# KiCad board SlowLampLEDPanel.kicad_pcb (continued)
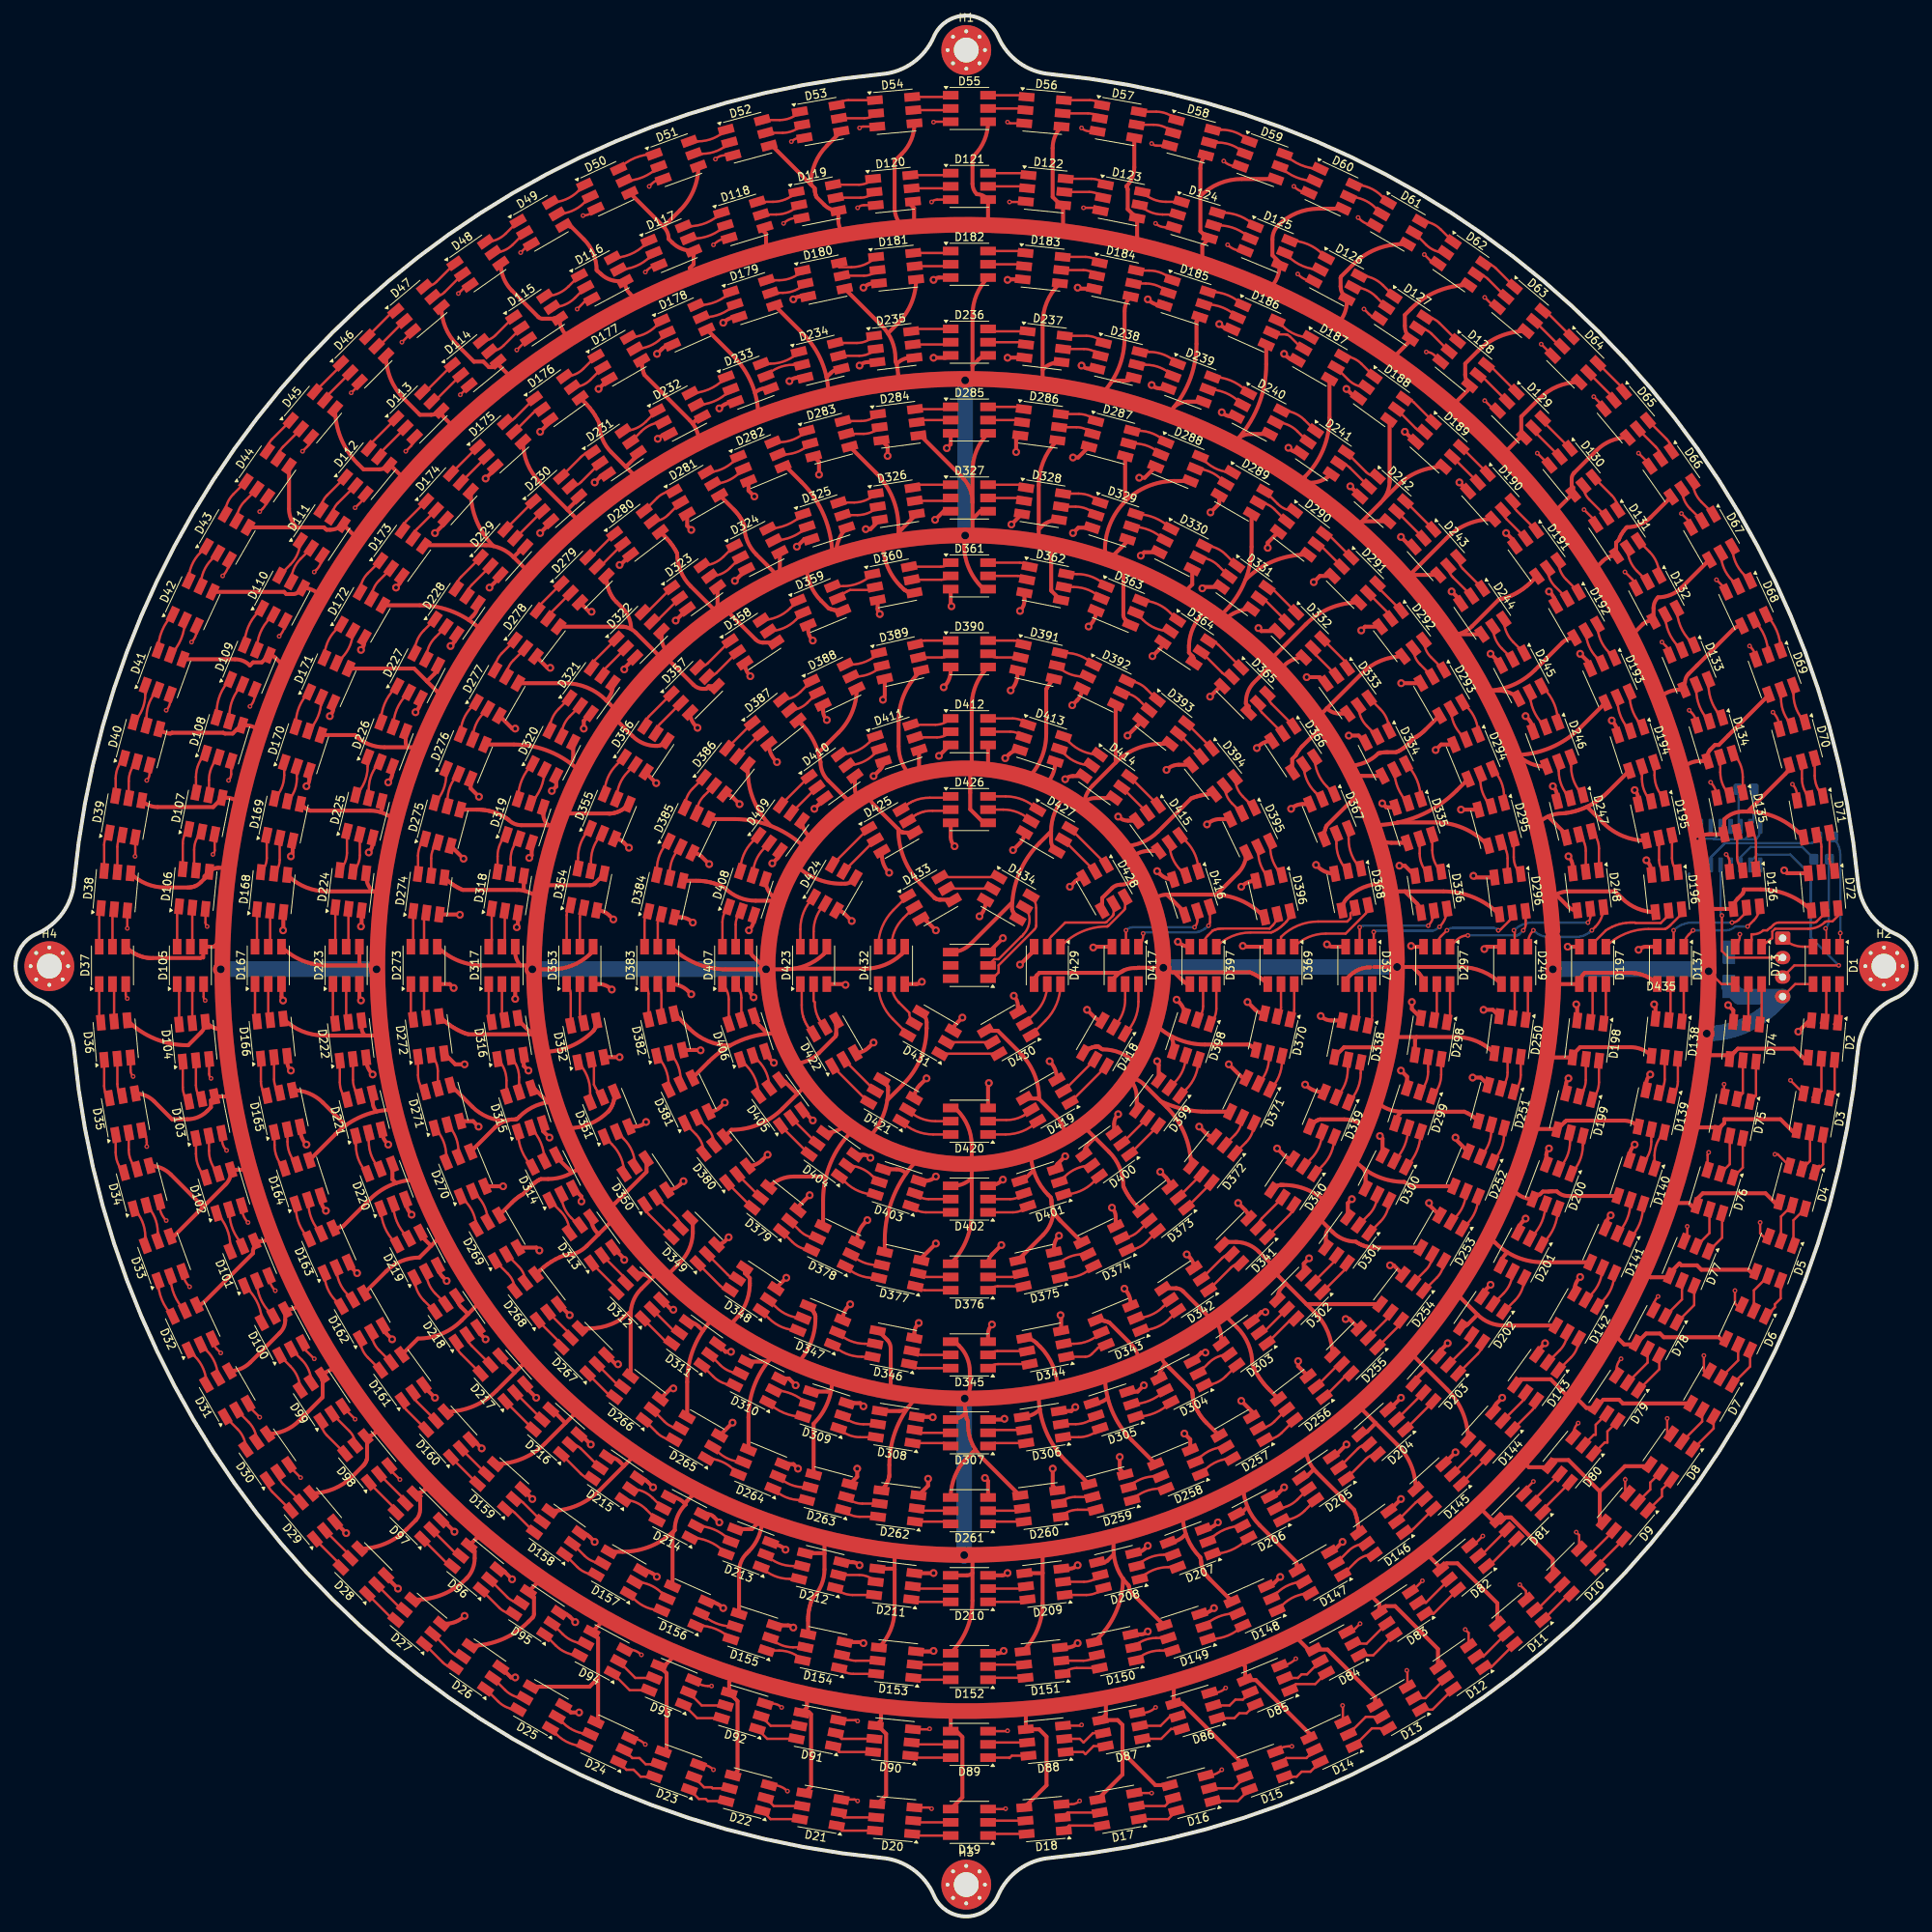
[diagram p0: board, top side]
## Nets (continued)
Net-(D327-DO): D327.6 D328.1
Net-(D328-CO): D328.5 D329.2
Net-(D328-DO): D328.6 D329.1
Net-(D329-CO): D329.5 D330.2
Net-(D329-DO): D329.6 D330.1
Net-(D330-CO): D330.5 D331.2
Net-(D330-DO): D330.6 D331.1
Net-(D331-CO): D331.5 D332.2
Net-(D331-DO): D331.6 D332.1
Net-(D332-CO): D332.5 D333.2
Net-(D332-DO): D332.6 D333.1
Net-(D333-CO): D333.5 D334.2
Net-(D333-DO): D333.6 D334.1
Net-(D334-CO): D334.5 D335.2
Net-(D334-DO): D334.6 D335.1
Net-(D335-CO): D335.5 D336.2
Net-(D335-DO): D335.6 D336.1
Net-(D336-CO): D336.5 D337.2
Net-(D336-DO): D336.6 D337.1
Net-(D337-CO): D337.5 D338.2
Net-(D337-DO): D337.6 D338.1
Net-(D338-CO): D338.5 D339.2
Net-(D338-DO): D338.6 D339.1
Net-(D339-CO): D339.5 D340.2
Net-(D339-DO): D339.6 D340.1
Net-(D340-CO): D340.5 D341.2
Net-(D340-DO): D340.6 D341.1
Net-(D341-CO): D341.5 D342.2
Net-(D341-DO): D341.6 D342.1
Net-(D342-CO): D342.5 D343.2
Net-(D342-DO): D342.6 D343.1
Net-(D343-CO): D343.5 D344.2
Net-(D343-DO): D343.6 D344.1
Net-(D344-CO): D344.5 D345.2
Net-(D344-DO): D344.6 D345.1
Net-(D345-CO): D345.5 D346.2
Net-(D345-DO): D345.6 D346.1
Net-(D346-CO): D346.5 D347.2
Net-(D346-DO): D346.6 D347.1
Net-(D347-CO): D347.5 D348.2
Net-(D347-DO): D347.6 D348.1
Net-(D348-CO): D348.5 D349.2
Net-(D348-DO): D348.6 D349.1
Net-(D349-CO): D349.5 D350.2
Net-(D349-DO): D349.6 D350.1
Net-(D350-CO): D350.5 D351.2
Net-(D350-DO): D350.6 D351.1
Net-(D351-CO): D351.5 D352.2
Net-(D351-DO): D351.6 D352.1
Net-(D352-CO): D352.5 D353.2
Net-(D352-DO): D352.6 D353.1
Net-(D353-CO): D353.5 D354.2
Net-(D353-DO): D353.6 D354.1
Net-(D354-CO): D354.5 D355.2
Net-(D354-DO): D354.6 D355.1
Net-(D355-CO): D355.5 D356.2
Net-(D355-DO): D355.6 D356.1
Net-(D356-CO): D356.5 D357.2
Net-(D356-DO): D356.6 D357.1
Net-(D357-CO): D357.5 D358.2
Net-(D357-DO): D357.6 D358.1
Net-(D358-CO): D358.5 D359.2
Net-(D358-DO): D358.6 D359.1
Net-(D359-CO): D359.5 D360.2
Net-(D359-DO): D359.6 D360.1
Net-(D360-CO): D360.5 D361.2
Net-(D360-DO): D360.6 D361.1
Net-(D361-CO): D361.5 D362.2
Net-(D361-DO): D361.6 D362.1
Net-(D362-CO): D362.5 D363.2
Net-(D362-DO): D362.6 D363.1
Net-(D363-CO): D363.5 D364.2
Net-(D363-DO): D363.6 D364.1
Net-(D364-CO): D364.5 D365.2
Net-(D364-DO): D364.6 D365.1
Net-(D365-CO): D365.5 D366.2
Net-(D365-DO): D365.6 D366.1
Net-(D366-CO): D366.5 D367.2
Net-(D366-DO): D366.6 D367.1
Net-(D367-CO): D367.5 D368.2
Net-(D367-DO): D367.6 D368.1
Net-(D368-CO): D368.5 D369.2
Net-(D368-DO): D368.6 D369.1
Net-(D369-CO): D369.5 D370.2
Net-(D369-DO): D369.6 D370.1
Net-(D370-CO): D370.5 D371.2
Net-(D370-DO): D370.6 D371.1
Net-(D371-CO): D371.5 D372.2
Net-(D371-DO): D371.6 D372.1
Net-(D372-CO): D372.5 D373.2
Net-(D372-DO): D372.6 D373.1
Net-(D373-CO): D373.5 D374.2
Net-(D373-DO): D373.6 D374.1
Net-(D374-CO): D374.5 D375.2
Net-(D374-DO): D374.6 D375.1
Net-(D375-CO): D375.5 D376.2
Net-(D375-DO): D375.6 D376.1
Net-(D376-CO): D376.5 D377.2
Net-(D376-DO): D376.6 D377.1
Net-(D377-CO): D377.5 D378.2
Net-(D377-DO): D377.6 D378.1
Net-(D378-CO): D378.5 D379.2
Net-(D378-DO): D378.6 D379.1
Net-(D379-CO): D379.5 D380.2
Net-(D379-DO): D379.6 D380.1
Net-(D380-CO): D380.5 D381.2
Net-(D380-DO): D380.6 D381.1
Net-(D381-CO): D381.5 D382.2
Net-(D381-DO): D381.6 D382.1
Net-(D382-CO): D382.5 D383.2
Net-(D382-DO): D382.6 D383.1
Net-(D383-CO): D383.5 D384.2
Net-(D383-DO): D383.6 D384.1
Net-(D384-CO): D384.5 D385.2
Net-(D384-DO): D384.6 D385.1
Net-(D385-CO): D385.5 D386.2
Net-(D385-DO): D385.6 D386.1
Net-(D386-CO): D386.5 D387.2
Net-(D386-DO): D386.6 D387.1
Net-(D387-CO): D387.5 D388.2
Net-(D387-DO): D387.6 D388.1
Net-(D388-CO): D388.5 D389.2
Net-(D388-DO): D388.6 D389.1
Net-(D389-CO): D389.5 D390.2
Net-(D389-DO): D389.6 D390.1
Net-(D390-CO): D390.5 D391.2
Net-(D390-DO): D390.6 D391.1
Net-(D391-CO): D391.5 D392.2
Net-(D391-DO): D391.6 D392.1
Net-(D392-CO): D392.5 D393.2
Net-(D392-DO): D392.6 D393.1
Net-(D393-CO): D393.5 D394.2
Net-(D393-DO): D393.6 D394.1
Net-(D394-CO): D394.5 D395.2
Net-(D394-DO): D394.6 D395.1
Net-(D395-CO): D395.5 D396.2
Net-(D395-DO): D395.6 D396.1
Net-(D396-CO): D396.5 D397.2
Net-(D396-DO): D396.6 D397.1
Net-(D397-CO): D397.5 D398.2
Net-(D397-DO): D397.6 D398.1
Net-(D398-CO): D398.5 D399.2
Net-(D398-DO): D398.6 D399.1
Net-(D399-CO): D399.5 D400.2
Net-(D399-DO): D399.6 D400.1
Net-(D400-CO): D400.5 D401.2
Net-(D400-DO): D400.6 D401.1
Net-(D401-CO): D401.5 D402.2
Net-(D401-DO): D401.6 D402.1
Net-(D402-CO): D402.5 D403.2
Net-(D402-DO): D402.6 D403.1
Net-(D403-CO): D403.5 D404.2
Net-(D403-DO): D403.6 D404.1
Net-(D404-CO): D404.5 D405.2
Net-(D404-DO): D404.6 D405.1
Net-(D405-CO): D405.5 D406.2
Net-(D405-DO): D405.6 D406.1
Net-(D406-CO): D406.5 D407.2
Net-(D406-DO): D406.6 D407.1
Net-(D407-CO): D407.5 D408.2
Net-(D407-DO): D407.6 D408.1
Net-(D408-CO): D408.5 D409.2
Net-(D408-DO): D408.6 D409.1
Net-(D409-CO): D409.5 D410.2
Net-(D409-DO): D409.6 D410.1
Net-(D410-CO): D410.5 D411.2
Net-(D410-DO): D410.6 D411.1
Net-(D411-CO): D411.5 D412.2
Net-(D411-DO): D411.6 D412.1
Net-(D412-CO): D412.5 D413.2
Net-(D412-DO): D412.6 D413.1
Net-(D413-CO): D413.5 D414.2
Net-(D413-DO): D413.6 D414.1
Net-(D414-CO): D414.5 D415.2
Net-(D414-DO): D414.6 D415.1
Net-(D415-CO): D415.5 D416.2
Net-(D415-DO): D415.6 D416.1
Net-(D416-CO): D416.5 D417.2
Net-(D416-DO): D416.6 D417.1
Net-(D417-CO): D417.5 D418.2
Net-(D417-DO): D417.6 D418.1
Net-(D418-CO): D418.5 D419.2
Net-(D418-DO): D418.6 D419.1
Net-(D419-CO): D419.5 D420.2
Net-(D419-DO): D419.6 D420.1
Net-(D420-CO): D420.5 D421.2
Net-(D420-DO): D420.6 D421.1
Net-(D421-CO): D421.5 D422.2
Net-(D421-DO): D421.6 D422.1
Net-(D422-CO): D422.5 D423.2
Net-(D422-DO): D422.6 D423.1
Net-(D423-CO): D423.5 D424.2
Net-(D423-DO): D423.6 D424.1
Net-(D424-CO): D424.5 D425.2
Net-(D424-DO): D424.6 D425.1
Net-(D425-CO): D425.5 D426.2
Net-(D425-DO): D425.6 D426.1
Net-(D426-CO): D426.5 D427.2
Net-(D426-DO): D426.6 D427.1
Net-(D427-CO): D427.5 D428.2
Net-(D427-DO): D427.6 D428.1
Net-(D428-CO): D428.5 D429.2
Net-(D428-DO): D428.6 D429.1
Net-(D429-CO): D429.5 D430.2
Net-(D429-DO): D429.6 D430.1
Net-(D430-CO): D430.5 D431.2
Net-(D430-DO): D430.6 D431.1
Net-(D431-CO): D431.5 D432.2
Net-(D431-DO): D431.6 D432.1
Net-(D432-CO): D432.5 D433.2
Net-(D432-DO): D432.6 D433.1
Net-(D433-CO): D433.5 D434.2
Net-(D433-DO): D433.6 D434.1
Net-(D434-CO): D434.5 D435.2
Net-(D434-DO): D434.6 D435.1
Net-(D436-I/O1): J2.2 U1.5
Net-(D436-I/O2): J2.3 U1.2
Net-(R5-Pad1): R5.1 U1.3
Net-(R6-Pad1): R6.1 U1.6

Pads without a net: D435 5 6; H1 1; H2 1; H3 1; H4 1; U1 8 11

## Via types
v1: diameter 2, hole 1, Top to Bottom, 13 vias
v2: diameter 0.6, hole 0.3, Top to Bottom, 149 vias
v3: diameter 1, hole 0.5, Top to Bottom, 310 vias

## Routing (per net, layer and track width the routed paths; a pad name or vN(x,y) marks a point on that pad's centre or on a via; arc(x,y) is an arc through that point)
+5V: length 6054.1
  Top w0.3: D1.4 228.44,119.68 J2.4 ; D73.4 218.98,119.68 v1(217.33,121.33)
  Top w0.5: 127.95,130.18 122.61,124.85 arc(121.43,124.06) D435.4 ; D410.4 107.74,144.76 arc(107.89,144.03) 108.3,143.41 ; 222.34,141.83 227.22,146.71 arc(227.55,147.21) D70.4 ; 222.34,141.83 221.75,141.83 arc(220.44,141.57) 219.34,140.83 219.34,140.08 arc(219.32,140.06) 219.32,140.03 D135.4 217.29,138.9 arc(216.54,138.75) v2(215.91,138.33) ; 222.34,141.83 arc(225.91,141.12) 228.93,139.1 D71.4 ; D225.4 46.99,142.11 arc(46.95,141.92) 46.84,141.75 ; D143.4 193.18,68.95 197.05,68.95 199.49,66.51 199.71,66.51 ; 212.54,82.24 212.54,82.78 213.59,83.83 213.84,83.58 215.84,83.58 216.4,83.01 222.46,83.01 222.88,82.58 ; D393.4 147.03,150.53 arc(143.89,149.9) 141.22,148.12 ; 113.34,196.88 113.33,197.23 113.3,197.93 113.22,198.62 113.1,199.31 ; 67.54,132.38 73.75,132.38 arc(74.06,132.43) 74.33,132.59 74.4,132.65 75.48,133.73 ; D298.4 179.64,112.42 arc(179.69,112.67) 179.84,112.88 ; D24.4 74.77,25.22 74.77,30.58 ; 78.09,57.83 74.94,54.68 arc(72.03,52.74) D158.4 ; 78.09,57.83 77.57,58.34 arc(76.84,58.83) D215.4 ; 78.09,57.83 79.62,59.36 ; D194.4 204.49,144.41 204.27,144.2 204.04,143.99 203.81,143.79 203.56,143.59 203.32,143.4 203.06,143.22 202.81,143.05 202.54,142.88 202.28,142.73 201.99,142.58 201.73,142.45 ; D339.4 166.58,101.82 166.67,101.9 166.78,102 166.88,102.07 167.01,102.14 167.12,102.2 167.26,102.26 167.37,102.3 167.45,102.32 170.58,102.32 arc(172.07,102.02) 173.32,101.18 ; D392.4 141.22,148.12 ; 141.22,148.12 138.28,145.18 arc(137.41,143.88) 137.11,142.35 ; D366.4 163.91,146.94 arc(163.89,146.97) 163.88,147.01 ; 133.96,216.85 134.34,216.47 arc(134.43,216.61) 134.46,216.77 D122.4 arc(134.2,219.72) 133.99,219.87 133.13,220.73 133.13,227.01 arc(133.32,228.23) 133.89,229.33 arc(134.01,229.48) 134.13,229.62 D56.4 ; D345.4 120.51,73.78 120.66,73.72 121.12,73.25 arc(122.14,71.73) 122.49,69.93 122.49,69.53 arc(122.51,69.48) 122.53,69.43 122.54,69.18 122.54,68.17 arc(122.35,67.25) v1(121.84,66.48) 121.84,66.11 121.88,65.36 121.96,64.62 ; 91.41,75.65 92.3,76.54 arc(93.7,78.58) 94.25,80.99 94.25,81.25 94.25,81.93 93.61,82.57 D348.4 ; 74.77,30.58 73.68,29.49 D25.4 ; 74.77,30.58 74.77,35.73 D94.4 75.63,38.17 76.18,38.17 ; 121.96,64.62 122.09,63.88 arc(122.21,63.7) 122.26,63.48 122.26,63.16 arc(122.71,60.88) 124,58.94 128.89,54.05 D260.4 ; 121.96,64.62 121.89,64.55 arc(121.04,63.98) D307.4 ; 58.09,77.33 57.19,78.22 arc(56.78,78.84) D218.4 ; 58.09,77.33 59.79,79.03 ; 58.09,77.33 57.26,76.5 arc(54.69,74.78) 51.65,74.18 D161.4 ; 172.66,178.9 175.2,181.45 arc(176.04,182.66) 176.38,184.09 176.38,184.29 176.38,191.86 ; 172.66,178.9 arc(172.87,179.05) 173.12,179.1 D242.4 ; 172.66,178.9 arc(172.27,178.64) 171.81,178.55 ; 175.54,39.53 175.27,39.53 ; 144.4,133.84 143.84,133.28 arc(142.91,132.66) 141.82,132.44 arc(141.24,132.33) 140.75,132 139.51,130.76 139.49,130.7 D428.4 ; 86.02,52.9 85.85,53.07 arc(84.97,53.66) D214.4 ; 86.02,52.9 85.97,52.86 arc(84.97,51.35) 84.61,49.58 ; 86.02,52.9 86.02,52.93 arc(86.06,53.14) 86.18,53.32 87.54,54.68 ; 62.94,102.15 62.76,102.08 62.61,102.02 62.45,101.94 62.26,101.84 62.11,101.74 61.94,101.62 61.79,101.51 61.64,101.37 61.5,101.24 D270.4 ; 62.94,102.15 63.08,102.2 63.27,102.24 63.42,102.27 63.53,102.29 63.61,102.3 63.67,102.3 63.86,102.3 64.02,102.3 64.15,102.32 64.24,102.33 64.31,102.35 64.36,102.37 64.4,102.38 64.68,102.66 arc(66.8,104.08) 69.31,104.58 ; 62.94,102.15 arc(60.61,102.61) 58.63,103.93 D271.4 ; 103.05,149.38 105.64,151.97 arc(107.37,154.56) D388.4 ; D155.4 92.87,44.24 arc(93.12,45.51) 93.84,46.58 94.09,46.84 arc(95.38,48.77) 95.84,51.04 94.51,49.72 D213.4 ; D186.4 160.54,199.24 arc(159.45,193.74) 156.34,189.08 ; 70.16,141.58 76.03,141.58 76.17,141.57 76.22,141.57 76.28,141.57 76.37,141.57 76.48,141.58 76.63,141.6 76.83,141.64 76.98,141.68 77.17,141.74 77.32,141.79 77.5,141.87 77.65,141.94 77.81,142.03 77.99,142.14 78.14,142.25 78.3,142.37 78.44,142.5 78.59,142.64 D355.4 ; 131.48,65.08 131.47,65.07 arc(130.42,64.37) D306.4 ; 229.62,110.05 228.28,111.39 221.08,111.39 220.68,110.99 ; 52.66,176.02 60.22,176.02 60.45,176.02 arc(62.33,175.58) 63.92,174.49 ; 45.84,131.58 39.95,131.58 ; 45.84,131.58 47.07,131.58 ; 45.84,131.58 arc(45.22,132.51) 45,133.61 D224.4 ; 179.34,121.88 v1(177.34,121.88) 174.61,121.88 174.38,121.88 ; 179.34,121.88 180.17,121.05 arc(180.59,120.42) D297.4 ; 179.34,121.88 185.43,121.88 arc(188.3,121.31) D249.4 ; 58.17,166.42 58.7,166.94 arc(59.19,167.67) D228.4 ; 148.73,121.2 149.91,120.02 arc(150.29,119.77) D397.4 ; 148.73,121.2 158.44,121.2 158.68,121.1 158.9,121 159.13,120.88 159.35,120.76 159.57,120.63 159.77,120.49 159.98,120.34 160.17,120.19 160.37,120.02 160.55,119.86 D369.4 ; 148.73,121.2 arc(147.98,121.35) v1(147.34,121.78) 144.25,121.78 144.04,121.78 arc(144,121.75) 143.96,121.74 143.63,121.74 arc(142.37,121.49) 141.29,120.77 140.92,120.4 140.82,120.17 140.75,119.92 140.74,119.79 D417.4 ; D293.4 180.95,152.32 180.8,152.17 180.61,151.99 180.44,151.86 180.23,151.69 180.07,151.58 179.94,151.5 179.85,151.44 179.77,151.4 179.72,151.37 179.55,151.28 178.76,150.5 178.59,150.33 178.44,150.19 178.25,150.04 178.08,149.92 177.87,149.78 177.71,149.68 177.58,149.61 177.49,149.57 177.42,149.53 177.36,149.51 177.19,149.45 176.14,149.45 175.94,149.44 175.7,149.43 175.51,149.41 175.27,149.38 175.09,149.34 174.95,149.31 arc(173.17,148.12) 171.06,147.7 170.95,147.7 ; D318.4 65.23,131.91 arc(65.26,131.77) 65.34,131.65 ; 52.8,158.55 51.16,160.19 D171.4 ; 52.8,158.55 54.08,157.27 arc(54.52,156.97) 55.05,156.87 ; 52.8,158.55 53.78,159.52 arc(54.11,160.01) D227.4 ; 131.84,198.58 131.84,204.49 arc(132.38,207.2) 133.91,209.5 D183.4 ; 131.84,198.58 131.84,196.72 ; 131.84,198.58 arc(132.88,199.27) 134.11,199.52 D237.4 ; D280.4 83.29,177.2 83.5,176.98 83.69,176.78 83.9,176.54 84.07,176.32 84.26,176.06 84.41,175.84 84.59,175.56 84.72,175.35 84.81,175.18 84.88,175.05 84.92,174.96 arc(85.37,172.68) 86.66,170.75 90.16,167.26 ; D398.4 148.61,111.92 arc(148.48,112.58) 148.1,113.14 ; D235.4 115,200.1 arc(113.97,199.89) 113.1,199.31 ; 143.47,214.98 143.34,214.85 ; 123.2,59.94 122.16,58.9 arc(120.59,56.55) D261.4 ; 215.04,101.28 218.78,101.28 218.96,101.46 ; 122.84,181.52 122.84,185.55 arc(123.36,188.16) D285.4 ; 122.84,181.52 122.84,179.38 ; 122.84,181.52 arc(122.53,183.18) 121.65,184.62 116.34,189.93 arc(116.14,190.06) D284.4 ; 122.84,179.38 123.84,180.38 D327.4 ; 122.84,179.38 122.84,177.27 ; D323.4 90.11,168.29 arc(90.2,167.84) 90.45,167.46 ; 66.34,113.24 64.65,114.93 arc(64.52,115.11) D316.4 ; 66.34,113.24 58.12,113.24 57.88,113.31 57.8,113.33 57.7,113.37 57.57,113.42 57.39,113.49 57.15,113.6 56.84,113.75 56.6,113.88 56.31,114.04 56.07,114.19 55.8,114.37 55.57,114.54 55.31,114.73 55.09,114.92 54.85,115.12 54.62,115.34 D272.4 ; 66.34,113.24 66.86,113.24 arc(67.07,113.2) 67.24,113.08 ; D386.4 93.99,147.11 arc(94.76,143.25) 96.94,139.99 ; 216.82,109.86 216.54,109.58 ; 207.61,163.95 207.61,163.85 ; 163.88,147.04 163.88,148.58 164.34,149.04 164.52,149.38 164.77,149.75 165.06,150.09 165.21,150.25 167.85,152.89 ; 116.95,114.77 116.95,114.01 116.94,113.99 arc(116.17,110.13) 113.98,106.86 111.9,104.78 ; D137.4 210.58,119.83 210.25,120.11 209.9,120.36 209.52,120.57 209.13,120.76 208.72,120.9 208.31,121.02 207.88,121.09 207.45,121.13 207.23,121.13 201.44,121.13 201.27,120.96 arc(200.88,120.37) D197.4 197.63,119.68 arc(197.5,119.65) 197.39,119.58 ; 187.66,77.25 184.81,80.1 ; 187.66,77.25 186.4,75.99 arc(185.99,75.72) D202.4 ; 187.66,77.25 arc(189.22,76.22) 191.05,75.85 D142.4 ; 36.09,178.31 39.58,178.31 39.7,178.19 39.81,178.1 39.94,178 40.37,178 arc(41.27,178.18) D111.4 43.69,177.04 43.69,176.33 ; 36.09,178.31 D43.4 ; 36.09,178.31 arc(35.36,179.4) 35.1,180.69 D44.4 ; 107.58,101.02 107.32,100.76 arc(104.61,96.7) 103.66,91.92 D378.4 ; D319.4 67.73,141.54 arc(67.89,140.75) 68.34,140.08 ; 44.84,113.08 46.96,113.08 ; 44.84,113.08 39.58,113.08 arc(36.76,113.64) D166.4 ; 44.84,113.08 arc(44.53,113.54) 44.42,114.09 D222.4 ; 100.34,105.58 101.56,106.81 ; 100.34,105.58 98.81,107.1 arc(98.5,107.31) D405.4 ; 100.34,105.58 98.44,103.69 arc(95.44,101.68) 91.89,100.97 D380.4 ; 98.05,171.87 95.09,174.83 arc(93.94,176.55) 93.54,178.57 93.44,178.81 93.34,179.02 93.22,179.25 93.11,179.45 92.97,179.66 92.83,179.86 92.68,180.06 92.53,180.24 92.36,180.43 92.2,180.6 D281.4 ; D341.4 154.98,86.31 arc(155.07,86.38) 155.17,86.44 arc(155.44,86.54) 155.73,86.57 156.6,86.57 156.81,86.57 arc(158.31,86.22) 159.57,85.34 161.66,83.26 arc(161.77,82.7) 162.09,82.22 163.03,81.27 ; D433.4 120.14,130.47 119.7,130.51 119.68,130.51 118.74,130.51 118.61,130.52 118.5,130.53 118.37,130.55 118.27,130.59 118.19,130.62 118.08,130.67 118.01,130.72 117.96,130.75 117.96,130.76 116.25,132.46 arc(114.08,135.72) 113.31,139.56 ; D250.4 189.66,110.96 189.46,111.15 189.26,111.31 189.05,111.48 188.85,111.63 188.62,111.78 188.41,111.91 188.17,112.05 arc(188.06,112.11) 187.95,112.17 arc(186.4,112.71) 184.77,112.88 179.84,112.88 ; D157.4 77.93,46.81 arc(81.55,47.53) 84.61,49.58 ; 79.73,207.44 78.85,208.32 arc(78.38,209.02) 78.22,209.84 D116.4 77.49,209.9 arc(76.26,210.13) 75.2,210.77 75.06,210.91 74.74,211.18 74.59,211.33 arc(74.16,213.48) 72.94,215.3 71.41,216.83 71.13,216.95 70.83,217.03 70.52,217.07 D49.4 ; D432.4 114.14,124.01 114.07,123.86 113.88,123.67 113.69,123.48 arc(111.53,122.13) 109.03,121.66 99.94,121.66 ; D121.4 124.67,220.55 arc(124.08,220.94) 123.39,221.08 arc(122.98,221.69) 122.84,222.4 122.84,225.83 123.03,226.03 arc(124.37,228.02) D55.4 ; D121.4 124.84,217.83 arc(124.9,217.5) 125.09,217.23 ; D121.4 124.65,220.57 ; D338.4 169.34,110.34 arc(169.35,110.37) 169.37,110.4 ; D340.4 161.38,93.37 161.47,93.46 161.58,93.55 161.68,93.62 161.81,93.7 161.92,93.75 162.06,93.81 162.17,93.85 162.25,93.87 162.32,93.88 162.36,93.89 162.4,93.89 162.51,93.89 162.58,93.89 162.77,93.89 arc(165.77,93.3) 168.32,91.59 ; 204.99,74.93 206.49,73.42 207.5,73.42 ; 216.01,91.25 216.01,92.25 216.59,92.83 224.63,92.83 225.93,91.53 ; 189.34,157.36 190.43,157.36 arc(191.76,157.1) D245.4 ; 173.53,41.63 175.05,40.11 D83.4 175.87,39.83 177.09,39.83 182.59,34.33 D12.4 ; 219.08,73.93 218.66,74.35 211.57,74.35 211.09,74.83 209.31,74.83 208.2,73.71 208.2,73.62 ; 44.34,122.08 39.93,122.08 arc(36.8,122.7) D167.4 ; 44.34,122.08 46.45,122.08 ; 44.34,122.08 arc(44.19,122.3) 44.14,122.56 D223.4 ; D17.4 142.09,18.22 142.09,21.08 ; 132.92,139.28 132.92,138.04 arc(133.03,137.51) 133.32,137.07 D427.4 ; 132.92,139.28 131.43,137.79 arc(128.83,133.89) 127.91,129.29 127.95,129.18 128,129.05 128.08,128.87 128.15,128.74 128.25,128.58 128.33,128.45 128.45,128.31 128.55,128.19 D434.4 ; 132.92,139.28 arc(133.42,141.76) 134.82,143.87 ; D356.4 83.43,150.73 83.34,150.64 83.13,150.49 82.91,150.38 82.67,150.3 82.42,150.26 82.21,150.26 82,150.26 arc(80.49,150.62) 79.21,151.5 76.76,153.95 ; D256.4 160.99,67.55 160.76,67.79 160.55,68.02 160.32,68.27 160.13,68.51 159.92,68.79 159.75,69.03 arc(159.65,69.18) 159.55,69.32 arc(159.12,70.09) 158.76,70.89 arc(158.25,73.45) 156.8,75.62 154.99,77.42 ; D412.4 124.84,147.97 arc(124.76,147.58) 124.54,147.25 ; 86.9,191.65 87.51,192.25 arc(87.81,192.45) D232.4 ; 215.31,91.05 214.78,91.58 212.4,91.58 ; 37.09,77.66 37.75,77 ; 68.34,140.08 64.92,140.08 arc(64.04,140.25) 63.29,140.75 63.24,140.8 63.17,140.86 63.06,140.93 62.93,141.02 62.74,141.14 62.48,141.29 62.27,141.4 62.01,141.51 61.79,141.61 61.53,141.7 61.29,141.78 61.03,141.85 60.79,141.91 60.52,141.97 60.27,142.01 60,142.04 59.75,142.06 59.48,142.07 59.23,142.07 D275.4 ; 68.34,140.08 69.61,140.08 ; D394.4 153.61,144.08 153.32,144.07 153.05,144.05 152.77,144.01 152.5,143.97 152.22,143.92 151.96,143.86 151.68,143.78 151.42,143.7 151.15,143.61 150.9,143.51 146.64,139.24 arc(144.57,137.86) 142.14,137.38 ; D310.4 96.49,71.22 arc(96.57,71.24) 96.63,71.28 ; 216.64,110.56 220.25,110.56 220.68,110.99 ; 105.34,174.73 105.34,174.97 arc(105.69,176.75) D325.4 ; D415.4 145.43,136.77 arc(144.23,136.53) 143.21,135.85 ; D353.4 74.14,124.01 74.07,123.86 73.88,123.66 73.68,123.47 arc(71.44,122.07) 68.84,121.58 v1(66.34,121.58) ; 140.97,46.48 140.16,45.67 arc(139.95,45.53) 139.71,45.48 D208.4 ; D13.4 174.51,28.16 168.41,34.26 166.86,34.26 ; 218.96,101.46 219.34,101.83 219.34,102.33 226.56,102.33 228.17,100.71 ; 218.96,101.46 218.58,101.08 218.58,100.55 ; 112.84,44.58 112.84,46.94 ; 112.84,44.58 112.84,39.38 arc(112.31,36.75) D153.4 ; 112.84,44.58 arc(112.77,44.62) 112.69,44.64 D211.4 ; D58.4 152.68,225.96 arc(152.24,225.22) 152.09,224.38 152.09,220.83 ; D326.4 113.77,178.12 arc(113.45,177.64) 113.34,177.08 ; 181.09,70.33 178.98,72.43 ; 181.09,70.33 179.69,68.93 arc(179.52,68.67) D203.4 ; 181.09,70.33 183.8,67.62 arc(185.76,64.68) D144.4 ; D252.4 180.02,93.72 179.85,93.73 179.51,93.77 179.18,93.84 178.86,93.95 178.55,94.1 178.26,94.28 arc(174.91,94.95) 172.07,96.85 171.6,97.32 ; 199.95,66.97 201.64,65.27 202.34,65.27 ; 138.54,99.98 136.99,101.52 ; 138.54,99.98 140.37,98.14 arc(141.73,96.12) 142.2,93.73 142.27,93.57 142.37,93.36 142.52,93.08 142.64,92.86 142.8,92.6 142.94,92.39 143.1,92.15 143.31,91.88 143.49,91.65 143.71,91.39 143.91,91.17 144.14,90.94 D373.4 ; 138.54,99.98 137.69,99.14 arc(137.28,98.51) D400.4 ; D139.4 208.18,101.5 arc(207.36,101.99) 206.42,102.16 199.06,102.16 198.93,102.03 198.89,102.01 198.82,101.94 D199.4 arc(197.81,101.06) 197.72,101.08 194.51,101.08 ; 122.84,199.08 122.84,197.36 ; 122.84,199.08 123.64,199.88 arc(124.19,200.25) D236.4 ; 122.84,199.08 122.84,205.55 arc(123.36,208.16) D182.4 ; 209.27,57.8 206.59,57.8 203.36,54.56 ; D370.4 159.12,111.34 158.99,111.45 158.84,111.57 158.7,111.66 158.54,111.76 158.39,111.84 158.21,111.92 152.65,111.92 arc(149.18,112.61) 146.23,114.58 ; D170.4 43.56,151.65 arc(45.3,150.49) 47.35,150.08 50.34,150.08 ; D27.4 51.39,40.66 arc(54.88,41.35) 57.84,43.33 57.96,43.46 arc(58.68,44.63) 58.93,45.97 58.93,46.9 D96.4 59.19,48.58 60.4,48.58 arc(60.57,48.61) 60.72,48.71 ; D246.4 196.43,147.6 arc(194.48,147.99) 192.84,149.09 ; D335.4 176.61,137.81 arc(175.61,138.01) 174.76,138.58 ; v1(96.34,121.58) 94.63,123.28 arc(94.27,123.83) D407.4 ; v1(96.34,121.58) 98.84,121.58 arc(101.44,122.07) 103.68,123.47 103.88,123.66 104.07,123.86 104.14,124.01 D423.4 ; v1(96.34,121.58) 91.14,121.58 arc(87.35,122.33) D383.4 ; 64.84,122.08 66.54,122.08 ; 64.84,122.08 59.93,122.08 arc(56.8,122.7) D273.4 ; 64.84,122.08 arc(64.32,122.85) 64.14,123.77 D317.4 ; 24.09,91.08 20.4,87.4 arc(20.29,87.32) 20.16,87.29 D33.4 ; 24.09,91.08 26.95,93.94 arc(27.48,94.74) 27.67,95.68 D102.4 28.84,95.84 arc(29.48,95.97) 30.02,96.33 ; 24.09,91.08 19.92,95.24 arc(18.68,96.07) D34.4 ; D154.4 101.73,37.97 101.73,38.24 101.75,38.5 101.77,38.77 101.8,39.03 101.84,39.3 101.89,39.55 101.95,39.82 102.02,40.06 102.11,40.34 102.19,40.56 102.3,40.84 arc(103.44,42.54) 103.84,44.55 103.84,46.58 ; D240.4 158.52,190.3 arc(157.6,190.11) 156.82,189.59 ; D350.4 80.97,97.22 arc(80.98,97.19) 80.99,97.15 ; 189.07,87.35 189.92,86.49 arc(192.72,84.63) 196.01,83.97 D141.4 ; 220.23,110.06 220.23,110.53 220.68,110.99 ; D212.4 103.72,46.63 arc(103.78,46.62) 103.84,46.58 ; 172.6,40.76 172.15,40.76 ; 203.36,54.56 199.34,58.58 197.32,58.58 196.4,57.66 194.25,57.66 193.32,58.59 ; 203.36,54.56 203.36,50.43 ; D258.4 143.28,61.14 arc(140.73,64.95) 139.84,69.45 ; D278.4 77.77,165.56 77.94,165.56 78.1,165.55 arc(78.18,165.53) 78.27,165.52 arc(79,165.26) 79.62,164.79 83.06,161.35 82.82,161.1 82.81,161.1 ; 113.34,177.08 113.34,178.28 arc(112.58,182.1) 110.41,185.34 D283.4 ; 113.34,177.08 113.34,176.61 ; 209.01,82.9 209.87,82.04 211.84,82.04 ; 75.84,156.08 75.78,156.14 arc(73.37,157.74) 70.54,158.31 D277.4 ; 75.84,156.08 77.27,154.65 ; 75.84,156.08 arc(76.46,157.02) 76.68,158.12 D321.4 ; 227.09,117.83 J2.4 ; 168.34,155.08 167.15,153.89 ; 168.34,155.08 172.84,159.58 arc(175.25,161.19) D292.4 ; 168.34,155.08 arc(169.08,154.58) 169.96,154.41 D333.4 ; 114.69,219.94 115.34,219.29 115.34,217.05 ; 142.09,21.08 146.32,16.85 D16.4 ; 142.09,21.08 142.09,24.58 141.47,25.2 D87.4 139.96,25.9 139.96,27.46 139.34,28.08 ; D60.4 167.25,219.22 arc(164.46,218.66) 162.09,217.08 161.97,216.96 arc(161.5,216.17) 161.34,215.27 161.34,213.24 162.27,212.3 D125.4 arc(161.96,210.39) 161.06,209.05 160.95,208.94 ; 165.71,78.6 163.03,81.27 ; 165.71,78.6 D254.4 ; 165.71,78.6 166.78,77.52 arc(168.45,75.03) D255.4 ; 163.03,81.27 162.71,80.95 arc(162.16,80.13) D302.4 ; 107.34,142.77 107.46,142.88 arc(107.51,142.92) 107.58,142.94 ; D309.4 104.21,67.37 arc(104.48,67.43) 104.71,67.58 ; D418.4 137.2,110.96 137.32,111.07 137.44,111.16 137.58,111.26 137.71,111.33 137.86,111.41 138,111.48 138.16,111.54 138.3,111.58 138.48,111.62 138.62,111.65 138.72,111.66 138.8,111.66 138.85,111.67 138.9,111.67 139.03,111.66 139.12,111.57 139.21,111.49 139.31,111.42 139.41,111.36 139.53,111.3 arc(141.83,110.84) 143.78,109.54 143.97,109.35 ; 176.83,112.88 176.63,113.08 arc(176.85,112.93) 177.11,112.88 179.84,112.88 ; 159.15,158.59 161.36,160.8 ; D352.4 74.59,114.87 74.58,114.71 74.56,114.57 74.53,114.41 74.49,114.28 74.43,114.12 74.37,114 74.29,113.85 74.22,113.74 74.16,113.66 arc(71.19,111.68) 67.69,110.98 67.62,110.98 ; D59.4 157.39,223.03 arc(154.52,222.46) 152.09,220.83 ; 147.64,70.89 150.98,67.55 151,67.49 151.02,67.42 151.05,67.31 151.08,67.18 151.1,66.99 151.11,66.84 151.12,66.66 151.14,66.47 151.16,66.41 151.17,66.32 151.2,66.21 151.24,66.07 151.3,65.88 151.39,65.62 151.47,65.42 151.57,65.19 151.67,64.99 151.79,64.77 151.91,64.58 152.04,64.37 152.2,64.14 152.35,63.94 152.53,63.73 152.7,63.54 152.89,63.35 D257.4 ; 147.64,70.89 147.45,70.69 arc(146.94,69.94) D304.4 ; 147.64,70.89 147.59,70.94 arc(147.13,71.64) 146.96,72.45 ; 153.66,76.46 149.87,80.25 arc(149.49,80.52) 149.04,80.63 148.93,80.64 147.4,80.64 ; 103.84,46.58 103.84,48.59 ; 140.94,48.82 140.94,47.16 arc(141.44,44.64) 142.86,42.51 142.91,42.39 142.93,42.35 142.94,42.29 142.95,42.21 142.96,42.11 142.97,41.98 143.04,41.84 143.06,41.8 143.1,41.74 143.15,41.67 143.23,41.57 143.34,41.46 D149.4 ; D11.4 190.21,40.2 185.09,45.33 183.7,45.33 D82.4 182.94,44.72 180.84,46.83 ; 149.84,51.73 149.84,51.47 arc(150.41,48.58) 152.05,46.13 152.07,46.08 152.1,46 152.12,45.91 152.16,45.77 152.18,45.59 152.2,45.45 152.2,45.28 152.23,45.11 152.25,45.06 152.27,44.99 152.3,44.89 152.34,44.77 152.41,44.6 152.51,44.39 152.6,44.23 152.71,44.03 152.82,43.87 152.95,43.69 153.07,43.54 153.22,43.38 153.36,43.24 D148.4 ; 158.13,52.58 157.52,51.97 arc(157.14,51.72) D206.4 ; 81.59,81.83 80.33,80.57 arc(79.4,79.25) 78.97,77.68 ; 81.59,81.83 82.61,82.86 ; 81.59,81.83 arc(80.79,82.36) 79.84,82.55 D312.4 ; 177.93,103.3 177.66,103.03 arc(177.28,102.46) D299.4 177.14,101.79 ; 177.93,103.3 185.97,103.3 186.42,103.09 186.84,102.85 187.24,102.57 187.61,102.25 D251.4 ; 177.93,103.3 arc(176.13,103.66) 174.6,104.68 ; D21.4 102.11,16.69 102.11,25.95 101.93,26.14 D91.4 101.59,26.82 101.59,28.67 ; 148.84,30.35 148.68,30.19 D86.4 149.79,27.32 157.22,19.89 D15.4 ; 131.4,104.92 131.37,104.94 131.33,104.95 131.27,104.97 131.2,104.98 131.19,104.99 130.14,104.99 129.72,105.03 D419.4 ; 131.4,104.92 133.57,102.75 arc(134.4,101.5) 134.7,100.02 ; 131.4,104.92 arc(130.76,108.12) 128.95,110.84 126.09,113.69 D430.4 ; D61.4 178.02,214.67 arc(174.59,213.99) 171.69,212.05 170.17,210.53 arc(170.11,210.44) 170.09,210.33 170.09,209.21 arc(170.22,208.55) 170.59,207.99 ; 146.94,104.7 144.81,106.83 arc(143.93,107.42) 142.89,107.62 arc(143.65,106.48) 143.92,105.14 D399.4 ; 146.94,104.7 147.75,103.89 arc(150.07,100.42) D372.4 ; 146.94,104.7 146.99,104.65 arc(149.54,103.72) 152.21,103.31 arc(152.39,103.31) 152.57,103.3 152.95,103.3 D371.4 ; D20.4 111.75,15.54 111.75,23.43 110.69,24.49 D90.4 111.09,25.16 111.09,27.1 ; D179.4 101.08,203.15 arc(103.49,199.55) 104.34,195.29 ; D359.4 105.75,167.63 105.54,167.64 105.35,167.66 105.14,167.7 104.95,167.74 104.74,167.79 104.56,167.85 104.36,167.93 103.4,168.88 arc(102.02,170.95) 101.54,173.39 ; D367.4 167.98,138.54 167.98,138.74 arc(168,138.94) 168.03,139.14 ; 74.84,87.58 73.32,86.06 arc(71.99,85.17) 70.42,84.86 69.85,84.62 69.3,84.35 68.77,84.05 68.26,83.71 67.78,83.33 67.32,82.93 67.1,82.72 D268.4 ; 74.84,87.58 74.71,87.71 arc(74.08,88.65) D313.4 ; 74.84,87.58 76.89,89.63 ; 214.22,158.01 214.18,157.66 D133.4 